# KiCad board nsec-badge-2025.kicad_pcb
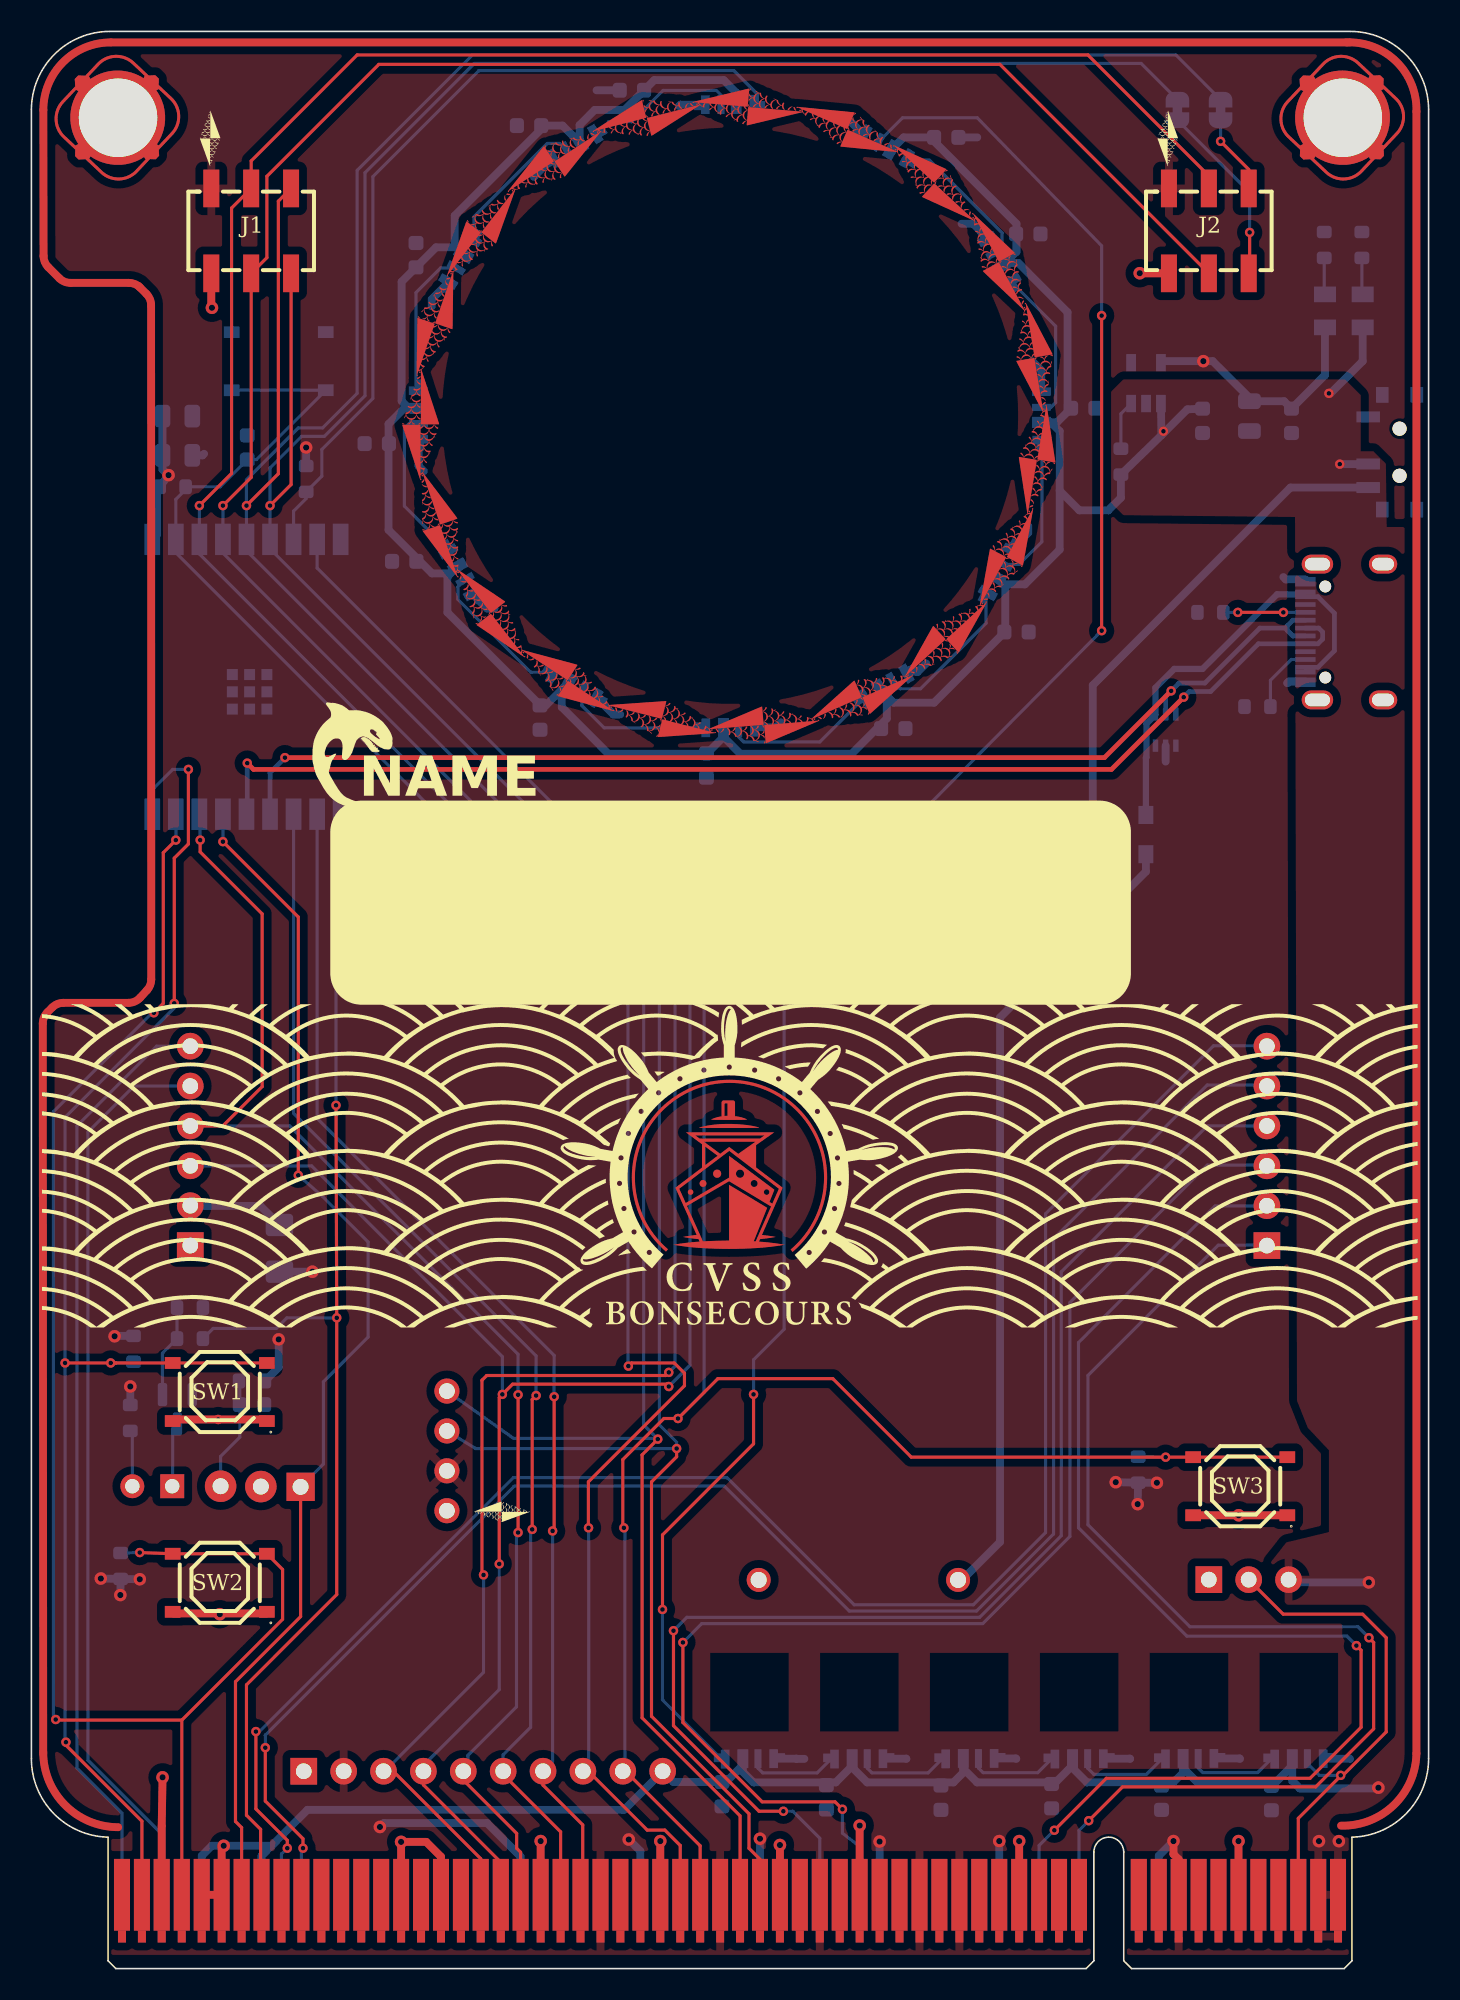
[diagram p0: board, top side]
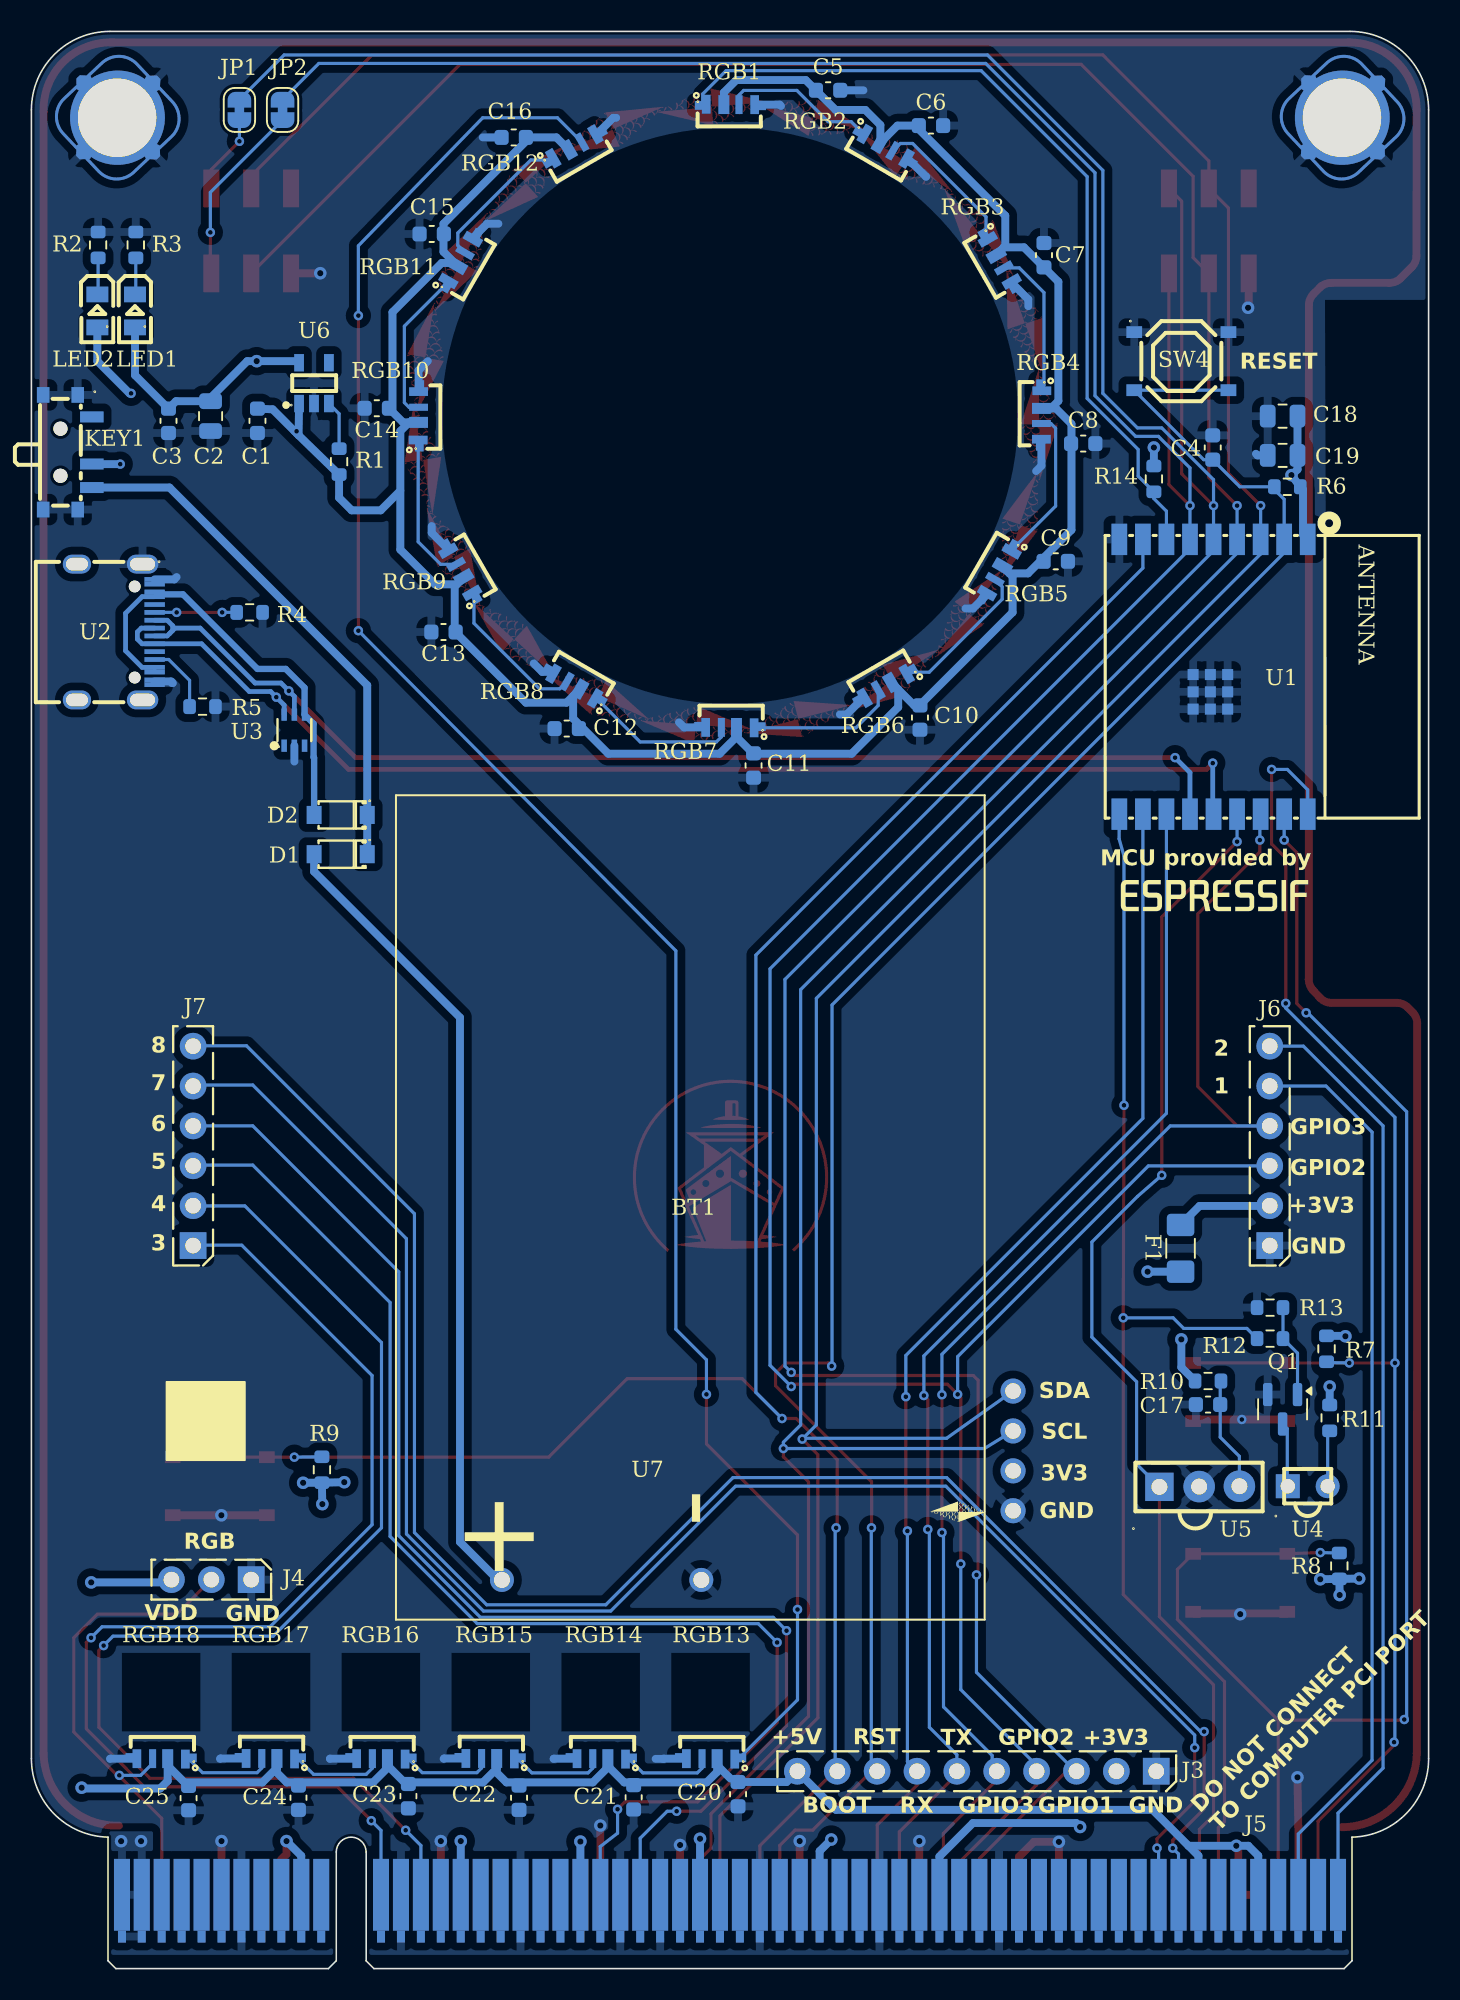
[diagram p1: board, bottom side, seen from below]

Outline 89 x 123.37 mm; copper layers: Top, Bottom. Coordinates in mm from the lower left corner of the outline.
Outline path: 4.88,8.37 arc(1.42,9.88) 0,13.37 0,118.37 arc(1.46,121.91) 5,123.37 84,123.37 arc(87.54,121.91) 89,118.37 89,13.37 arc(87.58,9.88) 84.12,8.37
Stack: Top 0.035mm / dielectric 1.51mm FR4 er 4.5 / Bottom 0.035mm

## Placement (name value [footprint] x y rotation side)
BT1  2479  [BAT_2479]  47.03 48.47 270 bottom
C1  1uF  [C_0603_1608Metric]  74.6 98.57 270 bottom
C2  10uF  [C_0805_2012Metric]  77.59 98.87 270 bottom
C3  1uF  [C_0603_1608Metric]  80.27 98.57 270 bottom
C4  1uF  [C_0603_1608Metric]  13.75 96.87 90 bottom
C5  0.1uF  [C_0603_1608Metric]  38.25 119.62 180 bottom
C6  0.1uF  [C_0603_1608Metric]  31.7 117.37 180 bottom
C7  0.1uF  [C_0603_1608Metric]  24.5 109.12 90 bottom
C8  0.1uF  [C_0603_1608Metric]  22 97.12 180 bottom
C9  0.1uF  [C_0603_1608Metric]  23.75 89.62 180 bottom
C10  0.1uF  [C_0603_1608Metric]  32.4 79.67 270 bottom
C11  0.1uF  [C_0603_1608Metric]  43 76.62 270 bottom
C12  0.1uF  [C_0603_1608Metric]  54.9 78.97 0 bottom
C13  0.1uF  [C_0603_1608Metric]  62.75 85.12 0 bottom
C14  0.1uF  [C_0603_1608Metric]  67 99.37 0 bottom
C15  0.1uF  [C_0603_1608Metric]  63.5 110.47 0 bottom
C16  0.1uF  [C_0603_1608Metric]  58.28 116.62 0 bottom
C17  1uF  [C_0603_1608Metric]  14.05 35.92 0 bottom
C18  10uF  [C_0805_2012Metric]  9.3 98.87 0 bottom
C19  0.1uF  [C_0805_2012Metric]  9.3 96.37 0 bottom
C20  0.1uF  [C_0603_1608Metric]  43.99 11.11 270 bottom
C21  0.1uF  [C_0603_1608Metric]  50.64 10.91 270 bottom
C22  0.1uF  [C_0603_1608Metric]  57.94 10.88 270 bottom
C23  0.1uF  [C_0603_1608Metric]  64.99 10.98 270 bottom
C24  0.1uF  [C_0603_1608Metric]  71.99 10.88 270 bottom
C25  0.1uF  [C_0603_1608Metric]  78.99 10.86 270 bottom
D1  MBR120LSF  [SOD-123_L2.8-W1.8-LS3.7-RD]  69.3 70.97 0 bottom
D2  MBR120LSF  [SOD-123_L2.8-W1.8-LS3.7-RD]  69.3 73.47 0 bottom
F1  Fuse_Small  [Fuse_1206_3216Metric_Pad1.42x1.75mm_HandSolder]  15.8 45.87 90 bottom
HOLE1  -  [LANYARD-HOLE-4mm]  83.54 117.87 0 top
HOLE2  -  [LANYARD-HOLE-4mm]  5.52 117.87 0 top
J1  PM254-2-03-S-8_5  [HDR-SMD_6P-P2.54-V-F-R2-C3-LS7.0]  14 110.67 0 top
J2  PM254-2-03-S-8_5  [HDR-SMD_6P-P2.54-V-F-R2-C3-LS7.0]  75 110.67 0 top
J3  Conn_01x10  [PinHeader_1x10_P2.54mm_Vertical]  17.35 12.57 270 bottom  (not fitted)
J4  Conn_01x03_Pin  [PinSocket_1x03_P2.54mm_Vertical]  75 24.77 90 top  (not fitted)
J5  Bus_PCI_32bit_Universal  [BUS_PCI]  44.5 3.37 0 top
J6  Conn_01x06  [PinSocket_1x06_P2.54mm_Vertical]  10.12 46.05 180 top
J7  Conn_01x06  [PinSocket_1x06_P2.54mm_Vertical]  78.7 46.05 180 top
JP1  SolderJumper  [SolderJumper-2_P1.3mm_Bridged_RoundedPad1.0x1.5mm]  75.75 118.37 90 bottom
JP2  SolderJumper  [SolderJumper-2_P1.3mm_Bridged_RoundedPad1.0x1.5mm]  73 118.37 270 bottom
KEY1  SSSS811101  [SW-SMD_SSSS811101]  86.7 96.57 270 bottom
LED1  FC-2012HRK-620D  [LED0805-R-RD]  84.8 105.57 270 bottom
LED2  FC-2012HRK-620D  [LED0805-R-RD]  82.4 105.57 270 bottom
Q1  MMBT3904  [SOT-23]  9.3 35.62 270 bottom
R1  100K  [R_0603_1608Metric]  69.4 95.97 90 bottom
R2  5.1K  [R_0603_1608Metric]  84.75 109.77 90 bottom
R3  5.1K  [R_0603_1608Metric]  82.35 109.77 90 bottom
R4  5.1K  [R_0603_1608Metric]  75.1 86.37 180 bottom
R5  5.1K  [R_0603_1608Metric]  78.1 80.37 180 bottom
R6  10K  [R_0603_1608Metric]  9 94.37 0 bottom
R7  10K  [R_0603_1608Metric]  6.5 39.47 270 bottom
R8  10K  [R_0603_1608Metric]  5.69 25.64 90 bottom
R9  10K  [R_0603_1608Metric]  70.49 31.77 90 bottom
R10  470  [R_0603_1608Metric]  14.05 37.42 180 bottom
R11  56  [R_0603_1608Metric]  6.3 35.07 270 bottom
R12  1K  [R_0603_1608Metric]  10.1 40.12 180 bottom
R13  100K  [R_0603_1608Metric]  10.1 42.09 180 bottom
R14  10K  [R_0603_1608Metric]  17.5 94.87 270 bottom
REF**  -  [Name_Tag]  20.04 74.28 0 top
REF**#2  -  [BORDER-LINE]  41.38 72.51 0 top
REF**#3  -  [Logo]  44.42 51.04 0 top
REF**#4  -  [Crown]  44.68 98.41 0 top
RGB1  SK6812SIDE-A_C5378721  [LED-SMD_SK6812SIDE-A_C5378721]  44.47 118.72 180 bottom
RGB2  SK6812SIDE-A_C5378721  [LED-SMD_SK6812SIDE-A_C5378721]  34.58 116.05 210 bottom
RGB3  SK6812SIDE-A_C5378721  [LED-SMD_SK6812SIDE-A_C5378721]  27.32 108.79 240 bottom
RGB4  SK6812SIDE-A_C5378721  [LED-SMD_SK6812SIDE-A_C5378721]  24.65 98.94 270 bottom
RGB5  SK6812SIDE-A_C5378721  [LED-SMD_SK6812SIDE-A_C5378721]  27.34 88.93 300 bottom
RGB6  SK6812SIDE-A_C5378721  [LED-SMD_SK6812SIDE-A_C5378721]  34.58 81.69 330 bottom
RGB7  SK6812SIDE-A_C5378721  [LED-SMD_SK6812SIDE-A_C5378721]  44.51 79.03 0 bottom
RGB8  SK6812SIDE-A_C5378721  [LED-SMD_SK6812SIDE-A_C5378721]  54.42 81.69 30 bottom
RGB9  SK6812SIDE-A_C5378721  [LED-SMD_SK6812SIDE-A_C5378721]  61.68 88.95 60 bottom
RGB10  SK6812SIDE-A_C5378721  [LED-SMD_SK6812SIDE-A_C5378721]  64.35 98.89 90 bottom
RGB11  SK6812SIDE-A_C5378721  [LED-SMD_SK6812SIDE-A_C5378721]  61.66 108.81 120 bottom
RGB12  SK6812SIDE-A_C5378721  [LED-SMD_SK6812SIDE-A_C5378721]  54.42 116.05 150 bottom
RGB13  SK6812SIDE-A_C5378721  [LED-SMD_SK6812SIDE-A_C5378721]  45.74 13.36 0 bottom
RGB14  SK6812SIDE-A_C5378721  [LED-SMD_SK6812SIDE-A_C5378721]  52.7 13.36 0 bottom
RGB15  SK6812SIDE-A_C5378721  [LED-SMD_SK6812SIDE-A_C5378721]  59.78 13.37 0 bottom
RGB16  SK6812SIDE-A_C5378721  [LED-SMD_SK6812SIDE-A_C5378721]  66.74 13.36 0 bottom
RGB17  SK6812SIDE-A_C5378721  [LED-SMD_SK6812SIDE-A_C5378721]  73.78 13.37 0 bottom
RGB18  SK6812SIDE-A_C5378721  [LED-SMD_SK6812SIDE-A_C5378721]  80.74 13.36 0 bottom
SW1  TS-1187A-B-A-B  [SW-SMD_4P-L5.1-W5.1-P3.70-LS6.5-TL_H1.5]  12 36.72 180 top
SW2  TS-1187A-B-A-B  [SW-SMD_4P-L5.1-W5.1-P3.70-LS6.5-TL_H1.5]  12 24.57 180 top
SW3  TS-1187A-B-A-B  [SW-SMD_4P-L5.1-W5.1-P3.70-LS6.5-TL_H1.5]  77 30.72 180 top
SW4  TS-1187A-B-A-B  [SW-SMD_4P-L5.1-W5.1-P3.70-LS6.5-TL_H1.5]  15.75 102.37 180 bottom
U1  ESP32-C3-WROOM-02-N4(4MB)  [BULETM-SMD_ESPRESSIF_ESP32-C3-WROOM-02-N4-4MB]  13.7 82.27 270 bottom
U2  TYPE-C-31-M-12  [USB-C_SMD-TYPE-C-31-M-12]  83.62 85.12 270 bottom
U3  TPSMF05CT1G  [SOT-363_L2.0-W1.3-P0.65-LS2.1-BL]  72.25 78.87 180 bottom
U4  IR968-8C  [LED-TH_L2.9-W2.9-P2.54-FD]  7.7 30.72 180 bottom
U5  TSOP34838  [SENSOR-TH_TSOP34838]  14.6 30.7 180 bottom
U6  AP2112K-3_3TRG1  [SOT-25-5_L2.9-W1.6-P0.95-LS2.8-BL]  71 100.97 180 bottom
U7  HS96L03W2C03  [OLED-TH_L38.0-W12.0_HS91L02W2C01]  26.47 32.97 0 top

## Library data of the parts
BT1 = -: PARTREV: E; STANDARD: Manufacturer Recommendations; MAXIMUM_PACKAGE_HEIGHT: 13.5mm; MANUFACTURER: Keystone; LCSC: C5370880
C1 C3 C4 C17 = -: Description: Unpolarized capacitor, small symbol; LCSC: C15849; ki_fp_filters: C_*
C2 C18 = -: Description: Unpolarized capacitor, small symbol; LCSC: C15850; ki_fp_filters: C_*
C5-C16 C20-C25 = -: Description: Unpolarized capacitor, small symbol; LCSC: C14663; ki_fp_filters: C_*
C19 = -: Description: Unpolarized capacitor, small symbol; LCSC: C28233; ki_fp_filters: C_*
D1 D2 = -: Datasheet: https://item.szlcsc.com/301422.html; LCSC: C130880
F1 = -: Description: Fuse, small symbol; LCSC: C70065; ki_fp_filters: *Fuse*
J1 J2 = -: Datasheet: https://cn.bing.com/search?q=datasheet: 2.54MM_2*3; LCSC: C3975148
J3 = -: Description: Generic connector, single row, 01x10, script generated (kicad-library-utils/schlib/autogen/connector/); ki_fp_filters: Connector*:*_1x??_*
J4 = -: Description: Generic connector, single row, 01x03, script generated; ki_fp_filters: Connector*:*_1x??_*
J5 = -: Datasheet: http://pinouts.ru/Slots/PCI_pinout.shtml; Description: PCI bus connector for universal 5V/3.3V cards
J6 J7 = -: Description: Generic connector, single row, 01x06, script generated (kicad-library-utils/schlib/autogen/connector/); LCSC: C40877; ki_fp_filters: Connector*:*_1x??_*
JP1 JP2 = -: Description: Solder Jumper, 2-pole, closed/bridged; ki_fp_filters: SolderJumper*Bridged*
KEY1 = -: Datasheet: https://item.szlcsc.com/110556.html; LCSC: C109335
LED1 LED2 = -: Datasheet: https://item.szlcsc.com/88042.html; LCSC: C84256
Q1 = -: Datasheet: https://www.onsemi.com/pdf/datasheet/pzt3904-d.pdf; Description: 0.2A Ic, 40V Vce, Small Signal NPN Transistor, SOT-23; LCSC: C111113; ki_fp_filters: SOT?23*
R1 R13 = -: Description: Resistor, small symbol; LCSC: C25803; ki_fp_filters: R_*
R2-R5 = -: Description: Resistor, small symbol; LCSC: C23186; ki_fp_filters: R_*
R6-R9 R14 = -: Description: Resistor, small symbol; LCSC: C25804; ki_fp_filters: R_*
R10 = -: Description: Resistor, small symbol; LCSC: C23179; ki_fp_filters: R_*
R11 = -: Description: Resistor, small symbol; LCSC: C25196; ki_fp_filters: R_*
R12 = -: Description: Resistor, small symbol; LCSC: C21190; ki_fp_filters: R_*
RGB1-RGB18 = -: Datasheet: https://atta.szlcsc.com/upload/public/pdf/source/20230330/465DDC804018179C5A5664463FAA1C59.pdf; LCSC: C5378721
SW1-SW4 = -: Datasheet: https://item.szlcsc.com/datasheet/TS-1187A-C-6.0-B/299982.html; LCSC: C318884
U1 = -: Datasheet: https://atta.szlcsc.com/upload/public/pdf/source/20220106/F07459EFFE1D7CBA94B4FB8A075146A6.pdf; LCSC: C2934560
U2 = -: Datasheet: https://so.szlcsc.com/global.html?c=&k=C165948; LCSC: C165948
U3 = -: Datasheet: https://item.szlcsc.com/97429.html; LCSC: C558443
U4 = -: Datasheet: https://item.szlcsc.com/601866.html?ref=editor&logined=true; LCSC: C475375
U5 = -: LCSC: C44620
U6 = -: Datasheet: https://atta.szlcsc.com/upload/public/pdf/source/20180521/C216647_DB6DD3A958B257C676AC8B0A0A0AE735.pdf; LCSC: C51118
U7 = -: Datasheet: https://atta.szlcsc.com/upload/public/pdf/source/20230727/C3E43C8E3DDA847F5681FEE7D95C153D.pdf; LCSC: C5248081

## Footprints (pads in the part's own frame, mm; a bottom-side part is the same pattern mirrored in y, then rotated)
BAT_2479
  round 1.53 hole 1.02: N(23.72,0.7) P(23.72,-12)
BULETM-SMD_ESPRESSIF_ESP32-C3-WROOM-02-N4-4MB
  rect 2x1 smd: 1(-8.75,6) 2(-8.75,4.5) 3(-8.75,3) 4(-8.75,1.5) 5(-8.75,0) 6(-8.75,-1.5) 7(-8.75,-3) 8(-8.75,-4.5) 9(-8.75,-6) 10(8.75,-6) 11(8.75,-4.5) 12(8.75,-3) 13(8.75,-1.5) 14(8.75,0) 15(8.75,1.5) 16(8.75,3) 17(8.75,4.5) 18(8.75,6)
  rect 0.7x0.7 smd: 19(-0.14,-1.3) 19(-0.14,-0.2) 19(-0.14,0.9) 19(0.96,-1.3) 19(0.96,-0.2) 19(0.96,0.9) 19(2.06,-1.3) 19(2.06,-0.2) 19(2.06,0.9)
BUS_PCI
  rect 1.02x4.57 smd far side: A1(-38.73,1.33) A2(-37.46,1.33) A3(-36.2,1.33) A4(-34.92,1.33) A5(-33.65,1.33) A6(-32.38,1.33) A7(-31.11,1.33) A8(-29.84,1.33) A9(-28.57,1.33) A10(-27.3,1.33) A11(-26.03,1.33) A12(-24.77,1.33) A13(-23.49,1.33) A14(-22.22,1.33) A15(-20.95,1.33) A16(-19.68,1.33) A17(-18.41,1.33) A18(-17.14,1.33) A19(-15.88,1.33) A20(-14.6,1.33) A21(-13.34,1.33) A22(-12.06,1.33) A23(-10.79,1.33) A24(-9.52,1.33) A25(-8.25,1.33) A26(-6.98,1.33) A27(-5.71,1.33) A28(-4.44,1.33) A29(-3.17,1.33) A30(-1.9,1.33) A31(-0.63,1.33) A32(0.64,1.33) A33(1.91,1.33) A34(3.18,1.33) A35(4.45,1.33) A36(5.72,1.33) A37(6.99,1.33) A38(8.26,1.33) A39(9.53,1.33) A40(10.8,1.33) A41(12.07,1.33) A42(13.34,1.33) A43(14.61,1.33) A44(15.88,1.33) A45(17.15,1.33) A46(18.42,1.33) A47(19.69,1.33) A48(20.96,1.33) A49(22.23,1.33) A52(26.04,1.33) A53(27.31,1.33) A54(28.58,1.33) A55(29.85,1.33) A56(31.12,1.33) A57(32.39,1.33) A58(33.66,1.33) A59(34.93,1.33) A60(36.2,1.33) A61(37.47,1.33) A62(38.73,1.33)
  rect 0.51x0.76 smd far side: A1(-38.73,-1.33) A2(-37.46,-1.33) A3(-36.2,-1.33) A4(-34.92,-1.33) A5(-33.65,-1.33) A6(-32.38,-1.33) A7(-31.11,-1.33) A8(-29.84,-1.33) A9(-28.57,-1.33) A10(-27.3,-1.33) A11(-26.03,-1.33) A12(-24.77,-1.33) A13(-23.49,-1.33) A14(-22.22,-1.33) A15(-20.95,-1.33) A16(-19.68,-1.33) A17(-18.41,-1.33) A18(-17.14,-1.33) A19(-15.88,-1.33) A20(-14.6,-1.33) A21(-13.34,-1.33) A22(-12.06,-1.33) A23(-10.79,-1.33) A24(-9.52,-1.33) A25(-8.25,-1.33) A26(-6.98,-1.33) A27(-5.71,-1.33) A28(-4.44,-1.33) A29(-3.17,-1.33) A30(-1.9,-1.33) A31(-0.63,-1.33) A32(0.64,-1.33) A33(1.91,-1.33) A34(3.18,-1.33) A35(4.45,-1.33) A36(5.72,-1.33) A37(6.99,-1.33) A38(8.26,-1.33) A39(9.53,-1.33) A40(10.8,-1.33) A41(12.07,-1.33) A42(13.34,-1.33) A43(14.61,-1.33) A44(15.88,-1.33) A45(17.15,-1.33) A46(18.42,-1.33) A47(19.69,-1.33) A48(20.96,-1.33) A49(22.23,-1.33) A52(26.04,-1.33) A53(27.31,-1.33) A54(28.58,-1.33) A55(29.85,-1.33) A56(31.12,-1.33) A57(32.39,-1.33) A58(33.66,-1.33) A59(34.93,-1.33) A60(36.2,-1.33) A61(37.47,-1.33) A62(38.73,-1.33)